# Altium PCB PCB2.PcbDoc (part 2 of 5)
Units mm, origin at the board's own origin, x right, y up, seen from the top; angles counter-clockwise.
Board outline 100 x 100 mm, 4 copper layers (Top Layer, Int1 (GND), Int2 (PWR), Bottom Layer), stack 1.605 mm thick; 304 components, 271 nets, 993 pads, 338 vias.
Unrouted connection lines stored in the file: 123.
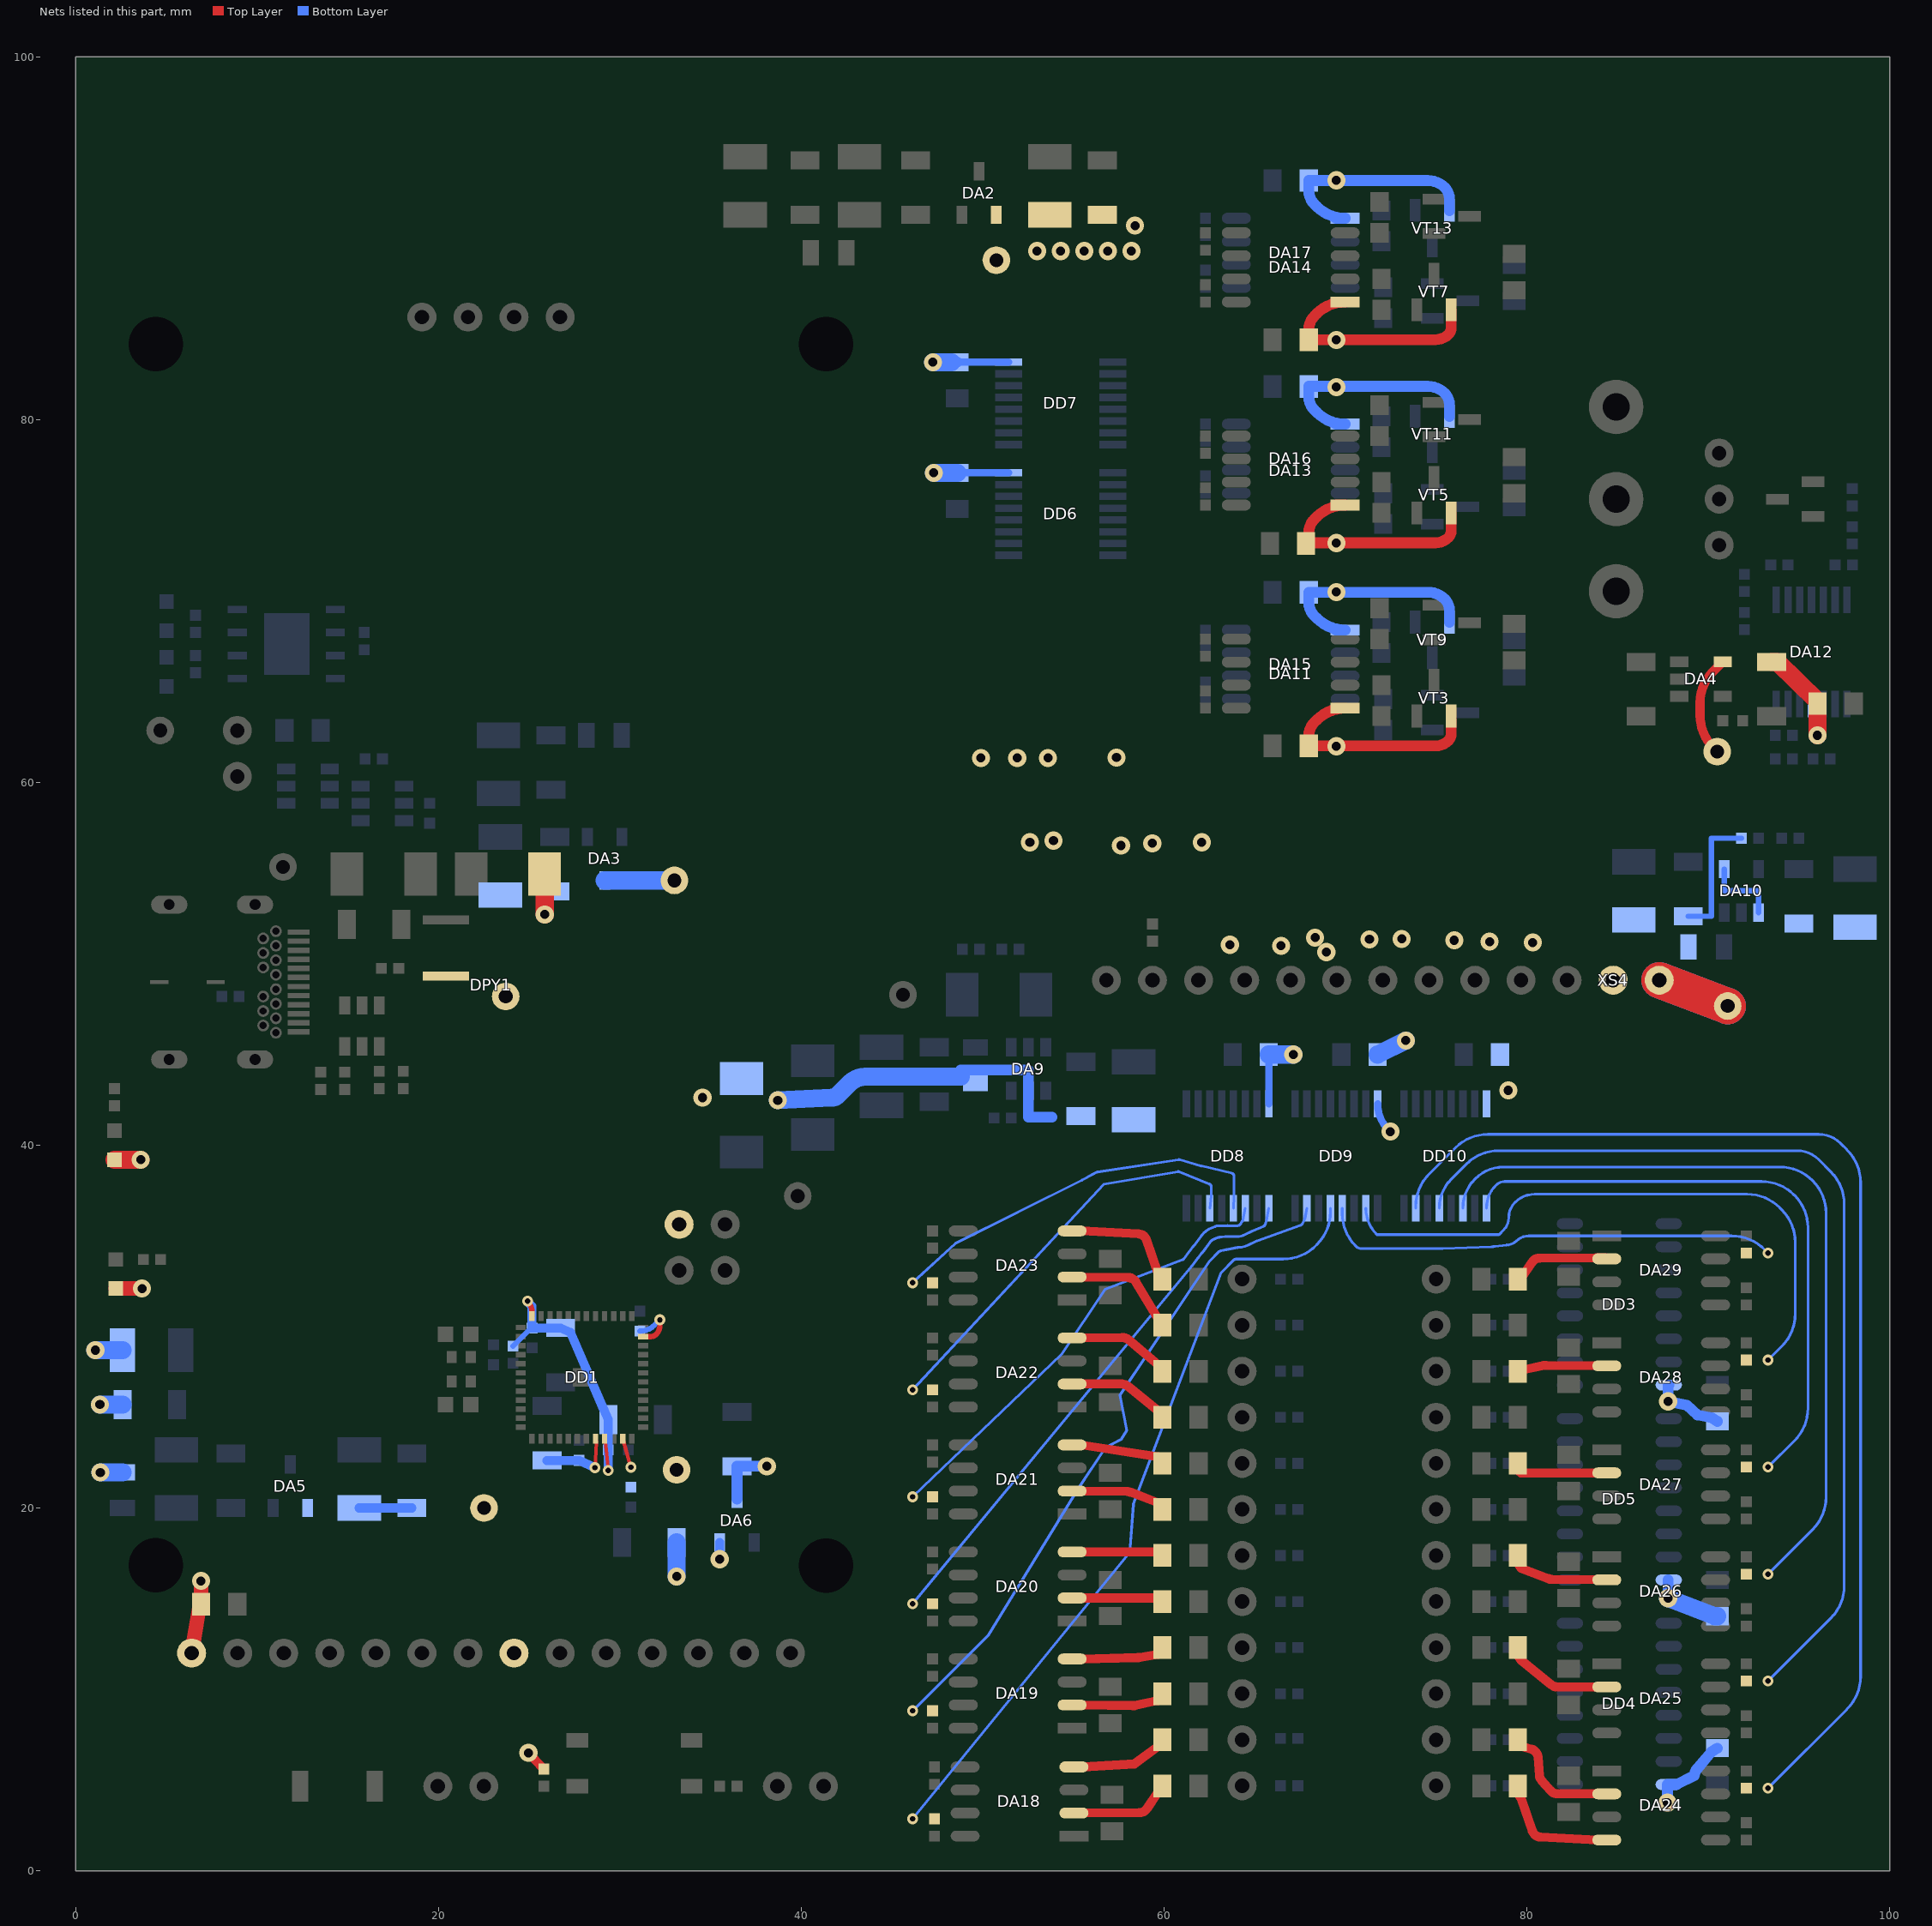
[diagram p4: the nets of this part, all layers, seen from the top]

## Part data
C1: library part "Capacitor nonpolar", "50V 1uF ±20% 0805 Multilayer Ceramic Capacitors MLCC - SMD/SMT ROHS", LCSC Part=C2798196, Manufacturer="Samsung Electro-Mechanics", Package=0805, Voltage=50V, Capacity=1uF, HelpURL=https://lcsc.com/product-detail/Multilayer-Ceramic-Capacitors-MLCC-SMD-SMT_Samsung-Electro-Mechanics-CL21B105MBFNNNE_C2798196.html, Model=CL21B105MBFNNNE, Rule="Component Clearance Constraint [Horizontal Clearance = 0.254mm    Vertical Clearance = 0.254mm]"
C2 C4 C5 C10 C11 C12 C25 C34: library part "Capacitor nonpolar", "16V 100nF X7R ±10% 0402 Multilayer Ceramic Capacitors MLCC - SMD/SMT ROHS", LCSC Part=C41851, Manufacturer="FH(Guangdong Fenghua Advanced Tech)", Package=0402, Voltage=16V, Capacity=100nF, HelpURL=https://lcsc.com/product-detail/Multilayer-Ceramic-Capacitors-MLCC-SMD-SMT_FH-Guangdong-Fenghua-Advanced-Tech-0402B104K160NT_C41851.html, Model=0402B104K160NT, Rule="Component Clearance Constraint [Horizontal Clearance = 0.254mm    Vertical Clearance = 0.254mm]"
C3 C6 C8: library part "Capacitor nonpolar", "16V 4.7uF X5R ±10% 1206 Multilayer Ceramic Capacitors MLCC - SMD/SMT ROHS", LCSC Part=C380360, Manufacturer=CCTC, Package=1206, Voltage=16V, Capacity=4.7uF, HelpURL=https://lcsc.com/product-detail/Multilayer-Ceramic-Capacitors-MLCC-SMD-SMT_CCTC-TCC1206X5R475K160HT_C380360.html, Model=TCC1206X5R475K160HT, Rule="Component Clearance Constraint [Horizontal Clearance = 0.254mm    Vertical Clearance = 0.254mm]"
C7 C9: library part "Capacitor nonpolar", "50V 6.8pF NP0 ±0.1pF 0805 Multilayer Ceramic Capacitors MLCC - SMD/SMT ROHS", LCSC Part=C519114, Manufacturer=YAGEO, Package=0603, Voltage=*V, Capacity=6.8pF, HelpURL=https://lcsc.com/product-detail/Multilayer-Ceramic-Capacitors-MLCC-SMD-SMT_YAGEO-CC0603BRNPO9BN6R8_C519114.html, Model=CC0603BRNPO9BN6R8, Rule="Component Clearance Constraint [Horizontal Clearance = 0.254mm    Vertical Clearance = 0.254mm]"
C13 C14 C15 C16 C17 C26 C27 C28 C35 C37 C39 C40: "22uF 16V -55℃~+125℃ 2.2Ω 100kHz ±20% CASE-B_3528 Tantalum Capacitors ROHS", Capacity=22µf, LCSC Part=C123252, Manufacturer="Hunan Xiangyee in S&T", Package=CASE-B_3528, Voltage=16V, HelpURL=https://lcsc.com/product-detail/Tantalum-Capacitors_Hunan-Xiangyee-in-S-T-CA45-B016M226T_C123252.html, Model=CA45-B016M226T
C18 C19 C20 C21 C22 C23 C24 C29 C30 C31 C32 C33 C36 C38 C41 C42 C43: "16V 4.7uF X5R ±10% 1206 Multilayer Ceramic Capacitors MLCC - SMD/SMT ROHS", Capacity=4.7uF, LCSC Part=C380360, Manufacturer=CCTC, Package=0402, Voltage=16V, HelpURL=https://lcsc.com/product-detail/Multilayer-Ceramic-Capacitors-MLCC-SMD-SMT_CCTC-TCC1206X5R475K160HT_C380360.html, Model=TCC1206X5R475K160HT, Rule="Component Clearance Constraint [Horizontal Clearance = 0.254mm    Vertical Clearance = 0.254mm]"
C44 C45 C46 C47 C48 C49 C50 C51 C52 C53 C54 C55 C56 C57 C58 C59 C60 C61 C62 C63 C64 C65 C66 C67 C68 C69 C70: "50V 1uF ±20% 0805 Multilayer Ceramic Capacitors MLCC - SMD/SMT ROHS", Capacity=1uF, LCSC Part=C2798196, Manufacturer="Samsung Electro-Mechanics", Package=0805, Voltage=50V, HelpURL=https://lcsc.com/product-detail/Multilayer-Ceramic-Capacitors-MLCC-SMD-SMT_Samsung-Electro-Mechanics-CL21B105MBFNNNE_C2798196.html, Model=CL21B105MBFNNNE, Rule="Component Clearance Constraint [Horizontal Clearance = 0.254mm    Vertical Clearance = 0.254mm]"
DA1: "Low Power Optocoupler", LCSC Part=C96457, Manufacturer=TOSHIBA, Package=SO-4, HelpURL=https://lcsc.com/product-detail/SMD-Optocouplers_TOSHIBA_TLP182-GB-TPL-E_TOSHIBA-TLP182-GB-TPL-E_C96457.html, Model=TLP-182
DA2: library part REF3033AIDBZR, "3.3V ±0.2% 75ppm/°C SOT-23(SOT-23-3) Reference voltage source", LCSC Part=C2841159, Manufacturer="Maxim Integrated", HelpURL=https://lcsc.com/product-detail/Voltage-References_Maxim-Integrated-MAX6035BAUR50T_C2841159.html, Model=MAX6035BAUR50T, Packge=SOT-23-3
DA3: library part ME2188A33M3G, "5V 300mA SOT-23 DC-DC Converters ROHS", LCSC Part=C236769, Manufacturer="MICRONE(Nanjing Micro One Elec)", HelpURL=https://lcsc.com/product-detail/DC-DC-Converters_MICRONE-Nanjing-Micro-One-Elec-ME2188A50XG_C236769.html, Model=ME2188A50XG, Packge=SOT-23
DA4: "Fixed 16V 580mV @ 150mA 10V SOT-23-5 Linear Voltage Regulators (LDO) ROHS", LCSC Part=C194850, Manufacturer="Texas Instruments", Package=SOT-23-5, HelpURL=https://lcsc.com/product-detail/Linear-Voltage-Regulators-LDO_Texas-Instruments-LP2985A-10DBVR_C194850.html, Model=LP2985A-10DBVR
DA5: "3.3V ±0.2% 75ppm/°C SOT-23(SOT-23-3) Reference voltage source", LCSC Part=C36658, Manufacturer="Texas Instruments", HelpURL=https://lcsc.com/product-detail/Voltage-References_Texas-Instruments_REF3033AIDBZR_Texas-Instruments-Texas-Instruments-REF3033AIDBZR_C36658.html, Model=REF3033AIDBZR, Packge=SOT-23(SOT-23-3)
DA6: "Fixed 6V 3.3V 600mV @ 200mA SOT-23", LCSC Part=C236655, Manufacturer="MICRONE(Nanjing Micro One Elec)", HelpURL=https://lcsc.com/product-detail/Dropout-Regulators-LDO_MICRONE-Nanjing-Micro-One-Elec-ME6216A33XG_C236655.html, Model=ME6216A33XG, Packge=SOT-23
DA7: "ESOP-8 Battery Management ICs ROHS", LCSC Part=C382139, Manufacturer=TPOWER, Package=ESOP-8, HelpURL=https://lcsc.com/product-detail/Battery-Management-ICs_TPOWER-TP4056_C382139.html, Model=TP4056
DA8: "SOT-23-6L Battery Management ICs ROHS", LCSC Part=C351410, Manufacturer=PUOLOP, Package=SOT-23-6L, HelpURL=https://lcsc.com/product-detail/Battery-Management-ICs_PUOLOP-DW01A_C351410.html, Model=DW01A
DA9: "2A 5.5V SOT-23-6 DC-DC Converters ROHS", LCSC Part=C18701, Manufacturer="Feeling Tech", HelpURL=https://lcsc.com/product-detail/DC-DC-Converters_Feeling-Tech-FP6291LR-G1_C18701.html, Model=FP6291LR-G1, Packge=SOT-23-6
DA10: "6V 1A TSOT-23-5 DC-DC Converters ROHS", LCSC Part=C250418, Manufacturer="Richtek Tech", Package=TSOT-23-5, HelpURL=https://lcsc.com/product-detail/DC-DC-Converters_Richtek-Tech-RT8096CHGJ5_C250418.html, Model=RT8096CHGJ5
DA11 DA13 DA14 DA15 DA16 DA17 DA18 DA19 DA20 DA21 DA22 DA23 DA24 DA25 DA26 DA27 DA28 DA29: library part 6208, LCSC Part=C155448, Manufacturer=Mixic, Package=SOP-8_150mil, HelpURL=https://www.lcsc.com/product-detail/Motor-Driver-ICs_Mixic-MX6208_C155448.html, Model=MX6208
DA12: library part TL084CD, "TSSOP-14 FET InputAmplifiers ROHS", LCSC Part=C2652279, Manufacturer=STMicroelectronics, Package=TSSOP-14, ComponentLink2Description=Datasheet, ComponentLink2URL=https://assets.nexperia.com/documents/data-sheet/74LVC1G157.pdf, HelpURL=https://lcsc.com/product-detail/FET-InputAmplifiers_STMicroelectronics-TL084CPT_C2652279.html, Model=TL084CPT
DD1: LCSC Part=C529356, Manufacturer=STMicroelectronics, Package=UFQFPN-48, ComponentLink1Description=Datadheet, ComponentLink1URL=https://www.st.com/resource/en/datasheet/stm32g431cb.pdf, HelpURL=https://lcsc.com/product-detail/ST-Microelectronics_STMicroelectronics-STM32G431CBU6_C529356.html, Model=STM32G431CBU6
DD2: library part USBLC6, LCSC Part=C7519, Manufacturer=STMicroelectronics, Package=SOT-23-6, HelpURL=https://lcsc.com/product-detail/Diodes-ESD_STMicroelectronics_USBLC6-2SC6_USBLC6-2SC6_C7519.html, Model=USBLC6-2SC6
DD3 DD4 DD5: library part CD4021, "4000B Shift Register SOIC-16_150mil Registers ROHS", LCSC Part=C134120, Manufacturer="Texas Instruments", Package=SOIC-16_150mil, ComponentLink2Description=Datasheet, ComponentLink2URL=https://www.onsemi.com/pub/Collateral/MC74HC165A-D.PDF, HelpURL=https://lcsc.com/product-detail/Registers_Texas-Instruments-CD4021BM96_C134120.html, Model=CD4021BM96
DD6 DD7 DD8 DD9 DD10: library part 74HC595, "8-bit shift register", LCSC Part=C5948, Manufacturer=Nexperia, Package=TSSOP-16, HelpURL=https://lcsc.com/product-detail/Registers_Nexperia-74HC595PW-118_C5948.html, Model=74HC595PW,118
DPY1: library part ILI9341_touch
FU1: library part Fuse, "13.2V 500mA 100A 600mW -40℃~+85℃ 1A 180mΩ 100ms 900mΩ 1210 Resettable Fuses ROHS", LCSC Part=C135348, Manufacturer="Shenzhen JDT", Package=1210, HelpURL=https://lcsc.com/product-detail/Resettable-Fuses_Shenzhen-JDT-span-style-background-color-ff0-Fuse-span-ASMD1210-050_C135348.html, Model=ASMD1210-050
HL1: library part LED, "Blue 455~475nm 0603 Light Emitting Diodes (LED) ROHS", LCSC Part=C193191, Manufacturer=Orient, Package=0603, Color=Blue, HelpURL=https://lcsc.com/product-detail/Light-Emitting-Diodes-span-style-background-color-ff0-LED-span_Orient-ORH-B36G_C193191.html, Model=ORH-B36G
HL2: library part LED, "Red 615~630nm 0603 Light Emitting Diodes (LED) ROHS", LCSC Part=C84263, Manufacturer="Foshan NationStar Optoelectronics", Package=0603, Color=Red, HelpURL=https://lcsc.com/product-detail/Light-Emitting-Diodes-span-style-background-color-ff0-LED-span_Foshan-NationStar-Optoelectronics-NCD0603R1_C84263.html, Model=NCD0603R1
HL3 HL4: library part LED, "Green 515~520nm 0603 Light Emitting Diodes (LED) ROHS", LCSC Part=C779453, Manufacturer=TUOZHAN, Package=0603, Color=Green, HelpURL=https://lcsc.com/product-detail/Light-Emitting-Diodes-span-style-background-color-ff0-LED-span_TUOZHAN-TZ-P2-0603GTCS1-0-6T_C779453.html, Model=TZ-P2-0603GTCS1-0.6T
L1 L3 L4 L5: library part Inductor, "1A 3.3uH ±20% 187.5mΩ 0805 Inductors (SMD) ROHS", Manufacturer="Murata Electronics", Package=0805, HelpURL=https://lcsc.com/product-detail/Inductors-SMD_Murata-Electronics-LQM21PN3R3MGRD_C162585.html, Inductance=3.3uH, Model=LQM21PN3R3MGRD
L2: library part Inductor, "220mA 22uH ±20% 60mA 2Ω 0805 Inductors (SMD) ROHS", Manufacturer=TDK, Package=0805, HelpURL=https://lcsc.com/product-detail/Inductors-SMD_TDK-MLZ2012M220WT000_C88174.html, Inductance=22uH, Model=MLZ2012M220WT000
R1 R3 R11 R19 R20 R133: library part resistor, "±5% 1/16W 50V ±200ppm/℃ -55℃~+155℃ 10kΩ 0402 Chip Resistor - Surface Mount ROHS", LCSC Part=C140214, Manufacturer="FH(Guangdong Fenghua Advanced Tech)", Package=0402, HelpURL=https://lcsc.com/product-detail/Chip-Resistor-Surface-Mount_FH-Guangdong-Fenghua-Advanced-Tech-RC-02W103JT_C140214.html, Model=RC-02W103JT, Resistence=10k
R2 R4 R21: library part resistor, "±5% 1/16W 50V ±100ppm/℃ -55℃~+155℃ 220Ω 0402 Chip Resistor - Surface Mount ROHS", LCSC Part=C137899, Manufacturer=YAGEO, Package=0402, HelpURL=https://lcsc.com/product-detail/Chip-Resistor-Surface-Mount_YAGEO-RC0402JR-07220RL_C137899.html, Model=RC0402JR-07220RL, Resistence=220Ω
R5 R6 R9 R46 R48 R49 R50 R51 R52 R53 R54 R55 R56 R57 R58 R59 R60 R61 R62 R63 R64 R65 R66 R67 R68 R69 R70 R71 R87 R89 R91 R93 R95 R97 R99 R101 R103 R105 R107 R109 R110 R111 R112 R113 R114 R115 R116 R117 R118 R119 R120 R121 R122 R123 R124 R125 R126 R127 R128 R129 R130 R131 R132: library part resistor, "±5% 1/16W 50V ±100ppm/℃ -55℃~+155℃ 1kΩ 0402 Chip Resistor - Surface Mount ROHS", LCSC Part=C105637, Manufacturer=YAGEO, Package=0402, HelpURL=https://lcsc.com/product-detail/Chip-Resistor-Surface-Mount_YAGEO-RC0402JR-071KL_C105637.html, Model=RC0402JR-071KL, Resistence=1kΩ
R7: library part resistor, "±5% 1/8W Thick Film Resistors 150V ±100ppm/℃ -55℃~+155℃ 100Ω 0805 Chip Resistor - Surface Mount ROHS", LCSC Part=C25277, Manufacturer="UNI-ROYAL(Uniroyal Elec)", Package=0805, HelpURL=https://lcsc.com/product-detail/Chip-Resistor-Surface-Mount_UNI-ROYAL-Uniroyal-Elec-0805W8J0101T5E_C25277.html, Model=0805W8J0101T5E, Resistence=100Ω
R8: library part resistor, "±5% 1/16W Thick Film Resistors 50V ±100ppm/℃ -55℃~+155℃ 2.2kΩ 0402 Chip Resistor - Surface Mount ROHS", LCSC Part=C25933, Manufacturer="UNI-ROYAL(Uniroyal Elec)", Package=0402, HelpURL=https://lcsc.com/product-detail/Chip-Resistor-Surface-Mount_UNI-ROYAL-Uniroyal-Elec-0402WGJ0222TCE_C25933.html, Model=0402WGJ0222TCE, Resistence=2.2kΩ
R10: library part resistor, "±1% 1/16W Thick Film Resistors 50V ±100ppm/℃ -55℃~+155℃ 100kΩ 0402 Chip Resistor - Surface Mount ROHS", LCSC Part=C25741, Manufacturer="UNI-ROYAL(Uniroyal Elec)", Package=0402, HelpURL=https://lcsc.com/product-detail/Chip-Resistor-Surface-Mount_UNI-ROYAL-Uniroyal-Elec-0402WGF1003TCE_C25741.html, Model=0402WGF1003TCE, Resistence=100kΩ
R12: library part resistor, "±1% 1/16W Thick Film Resistors 50V ±100ppm/℃ -55℃~+155℃ 5.23kΩ 0402 Chip Resistor - Surface Mount ROHS", LCSC Part=C25907, Manufacturer="UNI-ROYAL(Uniroyal Elec)", Package=0402, HelpURL=https://lcsc.com/product-detail/Chip-Resistor-Surface-Mount_UNI-ROYAL-Uniroyal-Elec-0402WGF5231TCE_C25907.html, Model=0402WGF5231TCE, Resistence=5.23kΩ
R13: library part resistor, "±1% 1/16W Thick Film Resistors 50V ±100ppm/℃ -55℃~+155℃ 47kΩ 0402 Chip Resistor - Surface Mount ROHS", LCSC Part=C25792, Manufacturer="UNI-ROYAL(Uniroyal Elec)", Package=0402, HelpURL=https://lcsc.com/product-detail/Chip-Resistor-Surface-Mount_UNI-ROYAL-Uniroyal-Elec-0402WGF4702TCE_C25792.html, Model=0402WGF4702TCE, Resistence=47kΩ
R14: library part resistor, "±1% 1/16W Thick Film Resistors 50V ±100ppm/℃ -55℃~+155℃ 10.5kΩ 0402 Chip Resistor - Surface Mount ROHS", LCSC Part=C25850, Manufacturer="UNI-ROYAL(Uniroyal Elec)", Package=0402, HelpURL=https://lcsc.com/product-detail/Chip-Resistor-Surface-Mount_UNI-ROYAL-Uniroyal-Elec-0402WGF1052TCE_C25850.html, Model=0402WGF1052TCE, Resistence=10.5kΩ
R15 R17: library part resistor, "±5% 1/16W Thick Film Resistors 50V ±100ppm/℃ -55℃~+155℃ 22Ω 0402 Chip Resistor - Surface Mount ROHS", LCSC Part=C25152, Manufacturer="UNI-ROYAL(Uniroyal Elec)", Package=0402, HelpURL=https://lcsc.com/product-detail/Chip-Resistor-Surface-Mount_UNI-ROYAL-Uniroyal-Elec-0402WGJ0220TCE_C25152.html, Model=0402WGJ0220TCE, Resistence=22Ω
R16 R18: library part resistor, "±5% 1/16W 50V ±100ppm/℃ -55℃~+155℃ 5.1kΩ 0402 Chip Resistor - Surface Mount ROHS", LCSC Part=C105873, Manufacturer=YAGEO, Package=0402, HelpURL=https://lcsc.com/product-detail/Chip-Resistor-Surface-Mount_YAGEO-RC0402JR-075K1L_C105873.html, Model=RC0402JR-075K1L, Resistence=5k1
R22 R23 R24 R25 R26 R27 R28 R29 R30 R31 R32 R33 R34 R35 R36 R37 R38 R39 R40 R41 R42 R43 R44 R45: library part resistor, "±5% 125mW 150V ±100ppm/℃ -55℃~+155℃ 120Ω 0805 Chip Resistor - Surface Mount ROHS", LCSC Part=C114244, Manufacturer=YAGEO, Package=0805, HelpURL=https://lcsc.com/product-detail/Chip-Resistor-Surface-Mount_YAGEO-RC0805JR-07120RL_C114244.html, Model=RC0805JR-07120RL, Resistence=120Ω
R47 R88 R90 R92 R94 R96 R98 R100 R102 R104 R106 R108: library part resistor, "±5% 100mW 75V ±100ppm/℃ -55℃~+155℃ 56Ω 0603 Chip Resistor - Surface Mount ROHS", LCSC Part=C127448, Manufacturer=YAGEO, Package=0603, HelpURL=https://lcsc.com/product-detail/Chip-Resistor-Surface-Mount_YAGEO-RC0603JR-0756RL_C127448.html, Model=RC0603JR-0756RL, Resistence=56Ω
R72 R85 R86: library part resistor, "±0.1% 60mW Thin Film Resistor 75V ±25ppm/℃ -55℃~+125℃ 4.75kΩ 0402 Chip Resistor - Surface Mount ROHS", LCSC Part=C2692895, Manufacturer=Resistor.Today, Package=0402, HelpURL=https://lcsc.com/product-detail/Chip-Resistor-Surface-Mount_Resistor-Today-PTFR0402B4K75P9_C2692895.html, Model=PTFR0402B4K75P9, Resistence=4.75kΩ
R73 R74 R78 R79 R80 R81: library part resistor, "±0.1% 62.5mW ±50ppm/℃ 10kΩ 0402 Chip Resistor - Surface Mount ROHS", LCSC Part=C908479, Manufacturer="Walsin Tech Corp", Package=0402, HelpURL=https://lcsc.com/product-detail/Chip-Resistor-Surface-Mount_Walsin-Tech-Corp-WF04T1002BTL_C908479.html, Model=WF04T1002BTL, Resistence=10kΩ
R75 R76 R77: library part resistor, LCSC Part=C2828692, Manufacturer="Viking Tech", Package=0805, HelpURL=https://lcsc.com/product-detail/Chip-Resistor-Surface-Mount_Viking-Tech-ARG05BTC6800_C2828692.html, Model=ARG05BTC6800, Resistence=680Ω
R82 R83 R84: library part resistor, "±0.1% 125mW Thin Film Resistor 100V ±25ppm/℃ -55℃~+155℃ 470kΩ 0805 Chip Resistor - Surface Mount ROHS", LCSC Part=C316216, Manufacturer="Viking Tech", Package=0805, HelpURL=https://lcsc.com/product-detail/Chip-Resistor-Surface-Mount_Viking-Tech-AR05BTCW4703_C316216.html, Model=AR05BTCW4703, Resistence=470kΩ
SA1: "3x4mm Tactile Switches ROHS", LCSC Part=C589194, Manufacturer="RI SHENG", Package=3x4mm, HelpURL=https://lcsc.com/product-detail/Tactile-Switches_RI-SHENG-ST-1185U_C589194.html, Model=ST-1185U
VD1 VD2 VD3 VD4 VD5: library part Diod, "500μA 40V 40V Single 500mV 3A 3A SMA Schottky Barrier Diodes (SBD) ROHS", LCSC Part=C383313, Manufacturer=LRC, Package=SMA, HelpURL=https://lcsc.com/product-detail/Schottky-Barrier-Diodes-SBD_LRC-SM340A_C383313.html, Model=SM340A
VT1: LCSC Part=C2830320, Manufature="TECH PUBLIC", Package=SOT23-6, HelpURL=https://lcsc.com/product-detail/MOSFETs_TECH-PUBLIC-FS8205A_C2830320.html, Model=FS8205A
VT2: library part N-P-N
VT3 VT5 VT7 VT9 VT11 VT13: library part P-Chanel, LCSC Part=C427389, Manufacturer="MDD（Microdiode Electronics）", Package=SOT-23, HelpURL=https://lcsc.com/product-detail/MOSFETs_MDD-Microdiode-Electronics-SI2301S_C427389.html, Model=SI2301S
VT4 VT6 VT8 VT10 VT12 VT14: library part N-Chanel, "60V 280mA 3.7mΩ 10V,300mA 830mW 1.4V 250uA 0.27pF 25V -55℃ (Tj) N Channel 14.4pF 25V 260pC 4.5V +150℃ (Tj) SOT-23 MOSFETs ROHS", LCSC Part=C506229, Manufaturer="WILLSEMI(Will Semicon)", Package=SOT-23, HelpURL=https://lcsc.com/product-detail/MOSFETs_WILLSEMI-Will-Semicon-WNM7002-3-TR_C506229.html, Model=WNM7002-3/TR
X1: library part NX2016SA-24MHZ, "24MHz Crystal 6pF 80 Ohms 4-SMD, No Lead", LCSC Part=SMD-2016-4P, Manufacturer=XTY, HelpURL=https://lcsc.com/product-detail/SMD-Crystal-Resonators_XTY-7216-2400A0610-00_C389789.html, Model=7216-2400A0610-00, Package=SMD-2016-4P
XS3: "USB-C _USB TYPE-C_ USB 3.1 _USB 3.1 Gen 2, Superspeed+_ Receptacle Connector 24 Position Surface Mount, Right Angle; Through Hole", Model=632723300011
XS4 XS15 XS16: System=Connector

## Free pads (board coordinates)
  round 0 hole 3 unplated: 0(41.365,84.175) 2(4.415,84.175) 3(4.415,16.85) 4(41.367,16.823)

## Via types
v1: diameter 1, hole 0.5, Top Layer to Bottom Layer, 163 vias
v2: diameter 0.6, hole 0.3, Top Layer to Bottom Layer, tented both sides, 102 vias
v3: diameter 0.8, hole 0.4, Top Layer to Bottom Layer, tented both sides, 73 vias

## Nets (pads, with @x,y where several pads share a name; then routed paths per layer and width w, separated by ;. In a path a pad name is that pad's centre, name@x,y a point inside that pad or via, vN(x,y) a via of type N, cw(c..) or ccw(c..) an arc to the next point about the centre after c; other vN are vias at no path point)
3V3: C1.1 C5.1 C6.1 C8.1 C10.1 C11.1 C12.1 C33.1 DA6.2 DD1.21 DD1.23 DD1.35 DD1.48 DPY1.1 DPY1.8 HL1.1 R1.1 R3.1 TP5.1 XS19.2 | length 32
  Top Layer w0.2: DD1.21@29.15,23.825 29.2,23.65 v2(29.357,22.068) ; DD1.23@30.15,23.825 30.2,23.65 v2(30.6,22.25)
  Top Layer w0.3: DD1.48@25.15,30.575 DD1.48@25.15,30.796 ; DD1.35@31.275,29.45 31.698,29.45 ; v2(32.2,30.375) 32.2,30.058 cw(c31.517,30.058) 32,29.575 ; DD1.48@25.15,30.796 ccw(c24.296,30.796) v2(24.9,31.4) cw(c24.296,30.796) DD1.48@25.15,30.796 ; 31.698,29.45 ccw(c31.698,29.877) 32,29.575 ; 31.698,29.45 ccw(c31.698,29.877) 32,29.575
  Top Layer w0.5: v1(24.95,6.5) 25.75,5.655 R1.1@25.8,5.605
  Top Layer w0.8: HL1.1@2.2,32.1 v1(3.65,32.1) ; DPY1.1@6.38,12 6.8,14.475 C1.1@6.9,14.7 v1(6.9,15.975)
  Bottom Layer w0.3: R3.1@24.1,28.925 C10.1@25.065,29.89 ; v2(32.2,30.375) 31.911,30.086 ; C10.1@25.065,29.89 cw(c25.15,29.804) C10.1@25.15,29.925 ccw(c25.15,29.804) C10.1@25.065,29.89 ; 31.911,30.086 cw(c31.1,30.897) C12.1@31.1,29.75 ccw(c31.1,30.897) 31.911,30.086
  Bottom Layer w0.5: v2(24.9,31.4) 24.9,31.373 25.15,31.123 C10.1@25.15,29.925 C8.1@26.725,29.925 27.275,29.675 29.107,25.425 C6.1@29.357,24.875 C11.1@29.357,23.2 v2(29.357,22.068) ; v1(35.5,17.175) DA6.2@35.5,18.1
  Bottom Layer w1: v1(33.125,16.225) C33.1@33.125,18.1
3V3_P: C40.1 C42.1 C45.1 C46.1 C47.1 C49.1 C50.1 C52.1 C53.1 C54.1 DD3.16 DD4.16 DD5.16 DD6.16 DD7.16 DD8.16 DD9.16 DD10.16 L5.2 R13.2 TP9.1 XS4.1 | length 43.6
  Top Layer w2: XS4.1@87.3,49.1 TP9.1@91.075,47.675
  Bottom Layer w0.3: C42.1@88.9,52.625 90.175,52.625 90.175,56.925 R13.2@91.83,56.925
  Bottom Layer w0.4: C49.1@48.6,77.075 DD6.16@51.425,77.075 ; C50.1@48.6,83.175 DD7.16@51.425,83.175 ; DD8.16@65.775,42.275 C53.1@65.775,45 ; DD9.16@71.775,42.275 ccw(c73.767,42.275) 72.358,40.867 v1(72.475,40.75)
  Bottom Layer w0.6: C50.1@48.275,83.175 C50.1@48.6,83.175 ; v1(87.75,3.75) 87.75,4.755 DD4.16@87.825,4.755 88.25,4.755 89.221,5.243 89.298,5.494 90.175,6.555 C46.1@90.5,6.755 ; v1(87.788,15.025) DD5.16@87.788,16.03 ; DD3.16@87.825,26.78 87.788,26.78 v1(87.788,25.875) 88.833,25.668 89.412,25.13 90.175,24.98 C45.1@90.5,24.78
  Bottom Layer w1: v1(47.25,83.175) C50.1@48.275,83.175 ; v1(47.3,77.075) C49.1@48.6,77.075 ; C53.1@65.775,45 v1(67.125,45) ; C52.1@71.775,45 v1(73.325,45.775) ; v1(87.788,15.025) 90.375,14.03 C47.1@90.5,14.03
  Bottom Layer w2: XS4.1@87.3,49.1 TP9.1@91.075,47.675
  other v1: 78.975,43.025 57.625,56.525 59.35,56.65 52.6,56.7 62.075,56.7 53.9,56.8 49.9,61.35 51.9,61.35 53.6,61.35 57.375,61.375
3V3REF: C2.1 C3.1 C28.1 C31.1 DA5.2 DD1.20 TP4.1 | length 7.3
  Top Layer w0.2: v2(28.623,22.223) DD1.20@28.702,23.602 ; DD1.20@28.65,23.825 28.695,23.667 DD1.20@28.695,23.666 ; DD1.20@28.695,23.666 cw(c28.503,23.613) DD1.20@28.702,23.602 ; DD1.20@28.696,23.666 cw(c28.503,23.613) DD1.20@28.702,23.602
  Bottom Layer w0.5: C28.1@15.625,20 C31.1@18.525,20 ; C3.1@25.975,22.623 C2.1@27.75,22.623 v2(28.623,22.223)
5V: C26.1 C29.1 C32.1 C37.1 C38.1 C39.1 C41.1 DA6.3 DA9.5 DA10.1 DA10.4 FU1.2 HL4.1 L3.1 L4.2 TP11.1 VD3.1 XS4.2 | length 31.7
  Top Layer w1: HL4.1@2.125,39.2 v1(3.575,39.2)
  Bottom Layer w0.3: DA10.4@90.88,55.225 90.88,54.025 92.78,54.025 DA10.1@92.78,52.825
  Bottom Layer w0.6: DA6.3@36.45,20.5 C32.1@36.45,22.3 v1(38.1,22.3) ; 48.791,43.775 48.791,44.15 52.521,44.15 DA9.5@52.521,43 52.521,41.55 53.825,41.55
  Bottom Layer w1: v1(1.075,28.7) C26.1@2.575,28.7 ; v1(1.325,25.7) C29.1@2.575,25.7 ; v1(1.35,21.96) L3.1@2.575,21.96 ; v1(38.7,42.475) 41.675,42.625 ccw(c41.675,43.108) 42.016,42.766 42.671,43.421 cw(c43.525,42.568) 43.525,43.775 48.791,43.775
  other v1: 34.55,42.625 68.95,50.65 66.45,51 63.625,51.05 80.325,51.175 77.95,51.225 76,51.3 71.325,51.35 73.1,51.375 68.325,51.45
5V_BAT: C17.1 C24.1 DA3.3 TP3.1 VD5.1 | length 6.1
  Top Layer w1: v1(25.85,52.725) VD5.1@25.85,54.95
  Bottom Layer w1: DA3.3@29.155,54.6 TP3.1@33,54.6
5V_REF: C15.1 C20.1 C44.1 C51.1 C55.1 C56.1 C57.1 C58.1 DA2.2 DA11.1 DA13.1 DA14.1 DA15.1 DA16.1 DA17.1 TP1.1 VT3.2 VT5.2 VT7.2 VT9.2 VT11.2 VT13.2 | length 216.1
  Top Layer w0.6: DA11.1@69.482,64.095 DA11.1@69.982,64.095 ; DA13.1@69.482,75.295 DA13.1@69.982,75.295 ; DA14.1@69.482,86.495 DA14.1@69.982,86.495 ; VT3.2@75.832,63.665 75.832,62.677 ; VT5.2@75.832,74.865 75.832,73.877 ; VT7.2@75.832,86.065 75.832,85.077 ; C44.1@67.982,62.591 cw(c69.006,62.591) 68.282,63.315 ; C44.1@67.982,62.591 cw(c69.006,62.591) 68.282,63.315 ; C44.1@67.982,62.591 cw(c69.006,62.591) 68.282,63.315 ; C44.1@67.982,62.591 cw(c69.006,62.591) 68.282,63.315 ; C44.1@67.982,62.591 C44.1@67.982,62.015 74.957,62.015 ; C51.1@67.982,73.791 cw(c69.006,73.791) 68.282,74.515 ; C51.1@67.982,73.791 cw(c69.006,73.791) 68.282,74.515 ; C51.1@67.982,73.791 cw(c69.006,73.791) 68.282,74.515 ; C51.1@67.982,73.791 cw(c69.006,73.791) 68.282,74.515 ; C51.1@67.982,73.791 67.982,73.327 C51.1@67.832,73.177 67.869,73.215 74.957,73.215 ; C55.1@67.982,84.991 cw(c69.006,84.991) 68.282,85.715 ; C55.1@67.982,84.991 cw(c69.006,84.991) 68.282,85.715 ; C55.1@67.982,84.991 cw(c69.006,84.991) 68.282,85.715 ; C55.1@67.982,84.991 cw(c69.006,84.991) 68.282,85.715 ; C55.1@67.982,84.991 C55.1@67.982,84.415 74.957,84.415 ; 68.282,63.315 68.411,63.444 ; 68.282,74.515 68.411,74.644 ; 68.282,85.715 68.411,85.844 ; 68.411,63.444 cw(c69.982,61.874) DA11.1@69.976,64.095 ; 68.411,63.444 cw(c69.982,61.874) DA11.1@69.982,64.095 ; 68.411,63.444 cw(c69.982,61.874) DA11.1@69.976,64.095 ; 68.411,63.444 cw(c69.982,61.874) DA11.1@69.976,64.095 ; 68.411,63.444 cw(c69.982,61.874) DA11.1@69.976,64.095 ; 68.411,63.444 cw(c69.982,61.874) DA11.1@69.976,64.095 ; 68.411,63.444 cw(c69.982,61.874) DA11.1@69.976,64.095 ; 68.411,63.444 cw(c69.982,61.874) DA11.1@69.976,64.095 ; 68.411,74.644 cw(c69.982,73.074) DA13.1@69.982,75.295 ; 68.411,74.644 cw(c69.982,73.074) DA13.1@69.982,75.295 ; 68.411,74.644 cw(c69.982,73.074) DA13.1@69.982,75.295 ; 68.411,74.644 cw(c69.982,73.074) DA13.1@69.982,75.295 ; 68.411,74.644 cw(c69.982,73.074) DA13.1@69.982,75.295 ; 68.411,74.644 cw(c69.982,73.074) DA13.1@69.982,75.295 ; 68.411,74.644 cw(c69.982,73.074) DA13.1@69.982,75.295 ; 68.411,74.644 cw(c69.982,73.074) DA13.1@69.982,75.295 ; 68.411,85.844 cw(c69.982,84.274) DA14.1@69.982,86.495 ; 68.411,85.844 cw(c69.982,84.274) DA14.1@69.973,86.495 ; 68.411,85.844 cw(c69.982,84.274) DA14.1@69.973,86.495 ; 68.411,85.844 cw(c69.982,84.274) DA14.1@69.973,86.495 ; 68.411,85.844 cw(c69.982,84.274) DA14.1@69.973,86.495 ; DA14.1@69.973,86.495 cw(c69.982,84.274) DA14.1@69.982,86.495 ; DA14.1@69.973,86.495 cw(c69.982,84.274) DA14.1@69.982,86.495 ; DA14.1@69.973,86.495 cw(c69.982,84.274) DA14.1@69.982,86.495 ; DA14.1@69.973,86.495 cw(c69.982,84.274) DA14.1@69.978,86.495 ; DA14.1@69.973,86.495 cw(c69.982,84.274) DA14.1@69.978,86.495 ; DA14.1@69.973,86.495 cw(c69.982,84.274) DA14.1@69.978,86.495 ; DA14.1@69.973,86.495 cw(c69.982,84.274) DA14.1@69.978,86.495 ; DA11.1@69.976,64.095 cw(c69.982,61.874) DA11.1@69.982,64.095 ; DA11.1@69.976,64.095 cw(c69.982,61.874) DA11.1@69.982,64.095 ; DA11.1@69.976,64.095 cw(c69.982,61.874) DA11.1@69.982,64.095 ; DA11.1@69.976,64.095 cw(c69.982,61.874) DA11.1@69.982,64.095 ; DA11.1@69.976,64.095 cw(c69.982,61.874) DA11.1@69.982,64.095 ; DA11.1@69.976,64.095 cw(c69.982,61.874) DA11.1@69.982,64.095 ; DA11.1@69.976,64.095 cw(c69.982,61.874) DA11.1@69.982,64.095 ; DA14.1@69.978,86.495 cw(c69.982,84.274) DA14.1@69.982,86.495 ; DA14.1@69.978,86.495 cw(c69.982,84.274) DA14.1@69.982,86.495 ; DA14.1@69.978,86.495 cw(c69.982,84.274) DA14.1@69.982,86.495 ; DA14.1@69.978,86.495 cw(c69.982,84.274) DA14.1@69.982,86.495 ; 74.957,62.015 ccw(c74.957,63.039) 75.682,62.315 ; 74.957,62.015 ccw(c74.957,63.039) 75.682,62.315 ; 74.957,62.015 ccw(c74.957,63.039) 75.682,62.315 ; 74.957,62.015 ccw(c74.957,63.039) 75.682,62.315 ; 74.957,62.015 ccw(c74.957,63.039) 75.682,62.315 ; 74.957,62.015 ccw(c74.957,63.039) 75.682,62.315 ; 74.957,62.015 ccw(c74.957,63.039) 75.682,62.315 ; 74.957,62.015 ccw(c74.957,63.039) 75.682,62.315 ; 74.957,73.215 ccw(c74.957,74.239) 75.682,73.515 ; 74.957,73.215 ccw(c74.957,74.239) 75.682,73.515 ; 74.957,73.215 ccw(c74.957,74.239) 75.682,73.515 ; 74.957,73.215 ccw(c74.957,74.239) 75.682,73.515 ; 74.957,73.215 ccw(c74.957,74.239) 75.682,73.515 ; 74.957,73.215 ccw(c74.957,74.239) 75.682,73.515 ; 74.957,73.215 ccw(c74.957,74.239) 75.682,73.515 ; 74.957,73.215 ccw(c74.957,74.239) 75.682,73.515 ; 74.957,84.415 ccw(c74.957,85.439) 75.682,84.715 ; 74.957,84.415 ccw(c74.957,85.439) 75.682,84.715 ; 74.957,84.415 ccw(c74.957,85.439) 75.682,84.715 ; 74.957,84.415 ccw(c74.957,85.439) 75.682,84.715 ; 74.957,84.415 ccw(c74.957,85.439) 75.682,84.715 ; 74.957,84.415 ccw(c74.957,85.439) 75.682,84.715 ; 74.957,84.415 ccw(c74.957,85.439) 75.682,84.715 ; 74.957,84.415 ccw(c74.957,85.439) 75.682,84.715 ; 75.682,62.315 ccw(c75.319,62.677) 75.832,62.677 ; 75.682,62.315 ccw(c75.319,62.677) 75.832,62.677 ; 75.682,62.315 ccw(c75.319,62.677) 75.832,62.677 ; 75.682,62.315 ccw(c75.319,62.677) 75.832,62.677 ; 75.682,62.315 ccw(c75.319,62.677) 75.832,62.677 ; 75.682,62.315 ccw(c75.319,62.677) 75.832,62.677 ; 75.682,62.315 ccw(c75.319,62.677) 75.832,62.677 ; 75.682,62.315 ccw(c75.319,62.677) 75.832,62.677 ; 75.682,73.515 ccw(c75.319,73.877) 75.832,73.877 ; 75.682,73.515 ccw(c75.319,73.877) 75.832,73.877 ; 75.682,73.515 ccw(c75.319,73.877) 75.832,73.877 ; 75.682,73.515 ccw(c75.319,73.877) 75.832,73.877 ; 75.682,73.515 ccw(c75.319,73.877) 75.832,73.877 ; 75.682,73.515 ccw(c75.319,73.877) 75.832,73.877 ; 75.682,73.515 ccw(c75.319,73.877) 75.832,73.877 ; 75.682,73.515 ccw(c75.319,73.877) 75.832,73.877 ; 75.682,84.715 ccw(c75.319,85.077) 75.832,85.077 ; 75.682,84.715 ccw(c75.319,85.077) 75.832,85.077 ; 75.682,84.715 ccw(c75.319,85.077) 75.832,85.077 ; 75.682,84.715 ccw(c75.319,85.077) 75.832,85.077 ; 75.682,84.715 ccw(c75.319,85.077) 75.832,85.077 ; 75.682,84.715 ccw(c75.319,85.077) 75.832,85.077 ; 75.682,84.715 ccw(c75.319,85.077) 75.832,85.077 ; 75.682,84.715 ccw(c75.319,85.077) 75.832,85.077